# Altium PCB LimePSB-RPCM_1v3.PcbDoc (part 7 of 10) (continued)
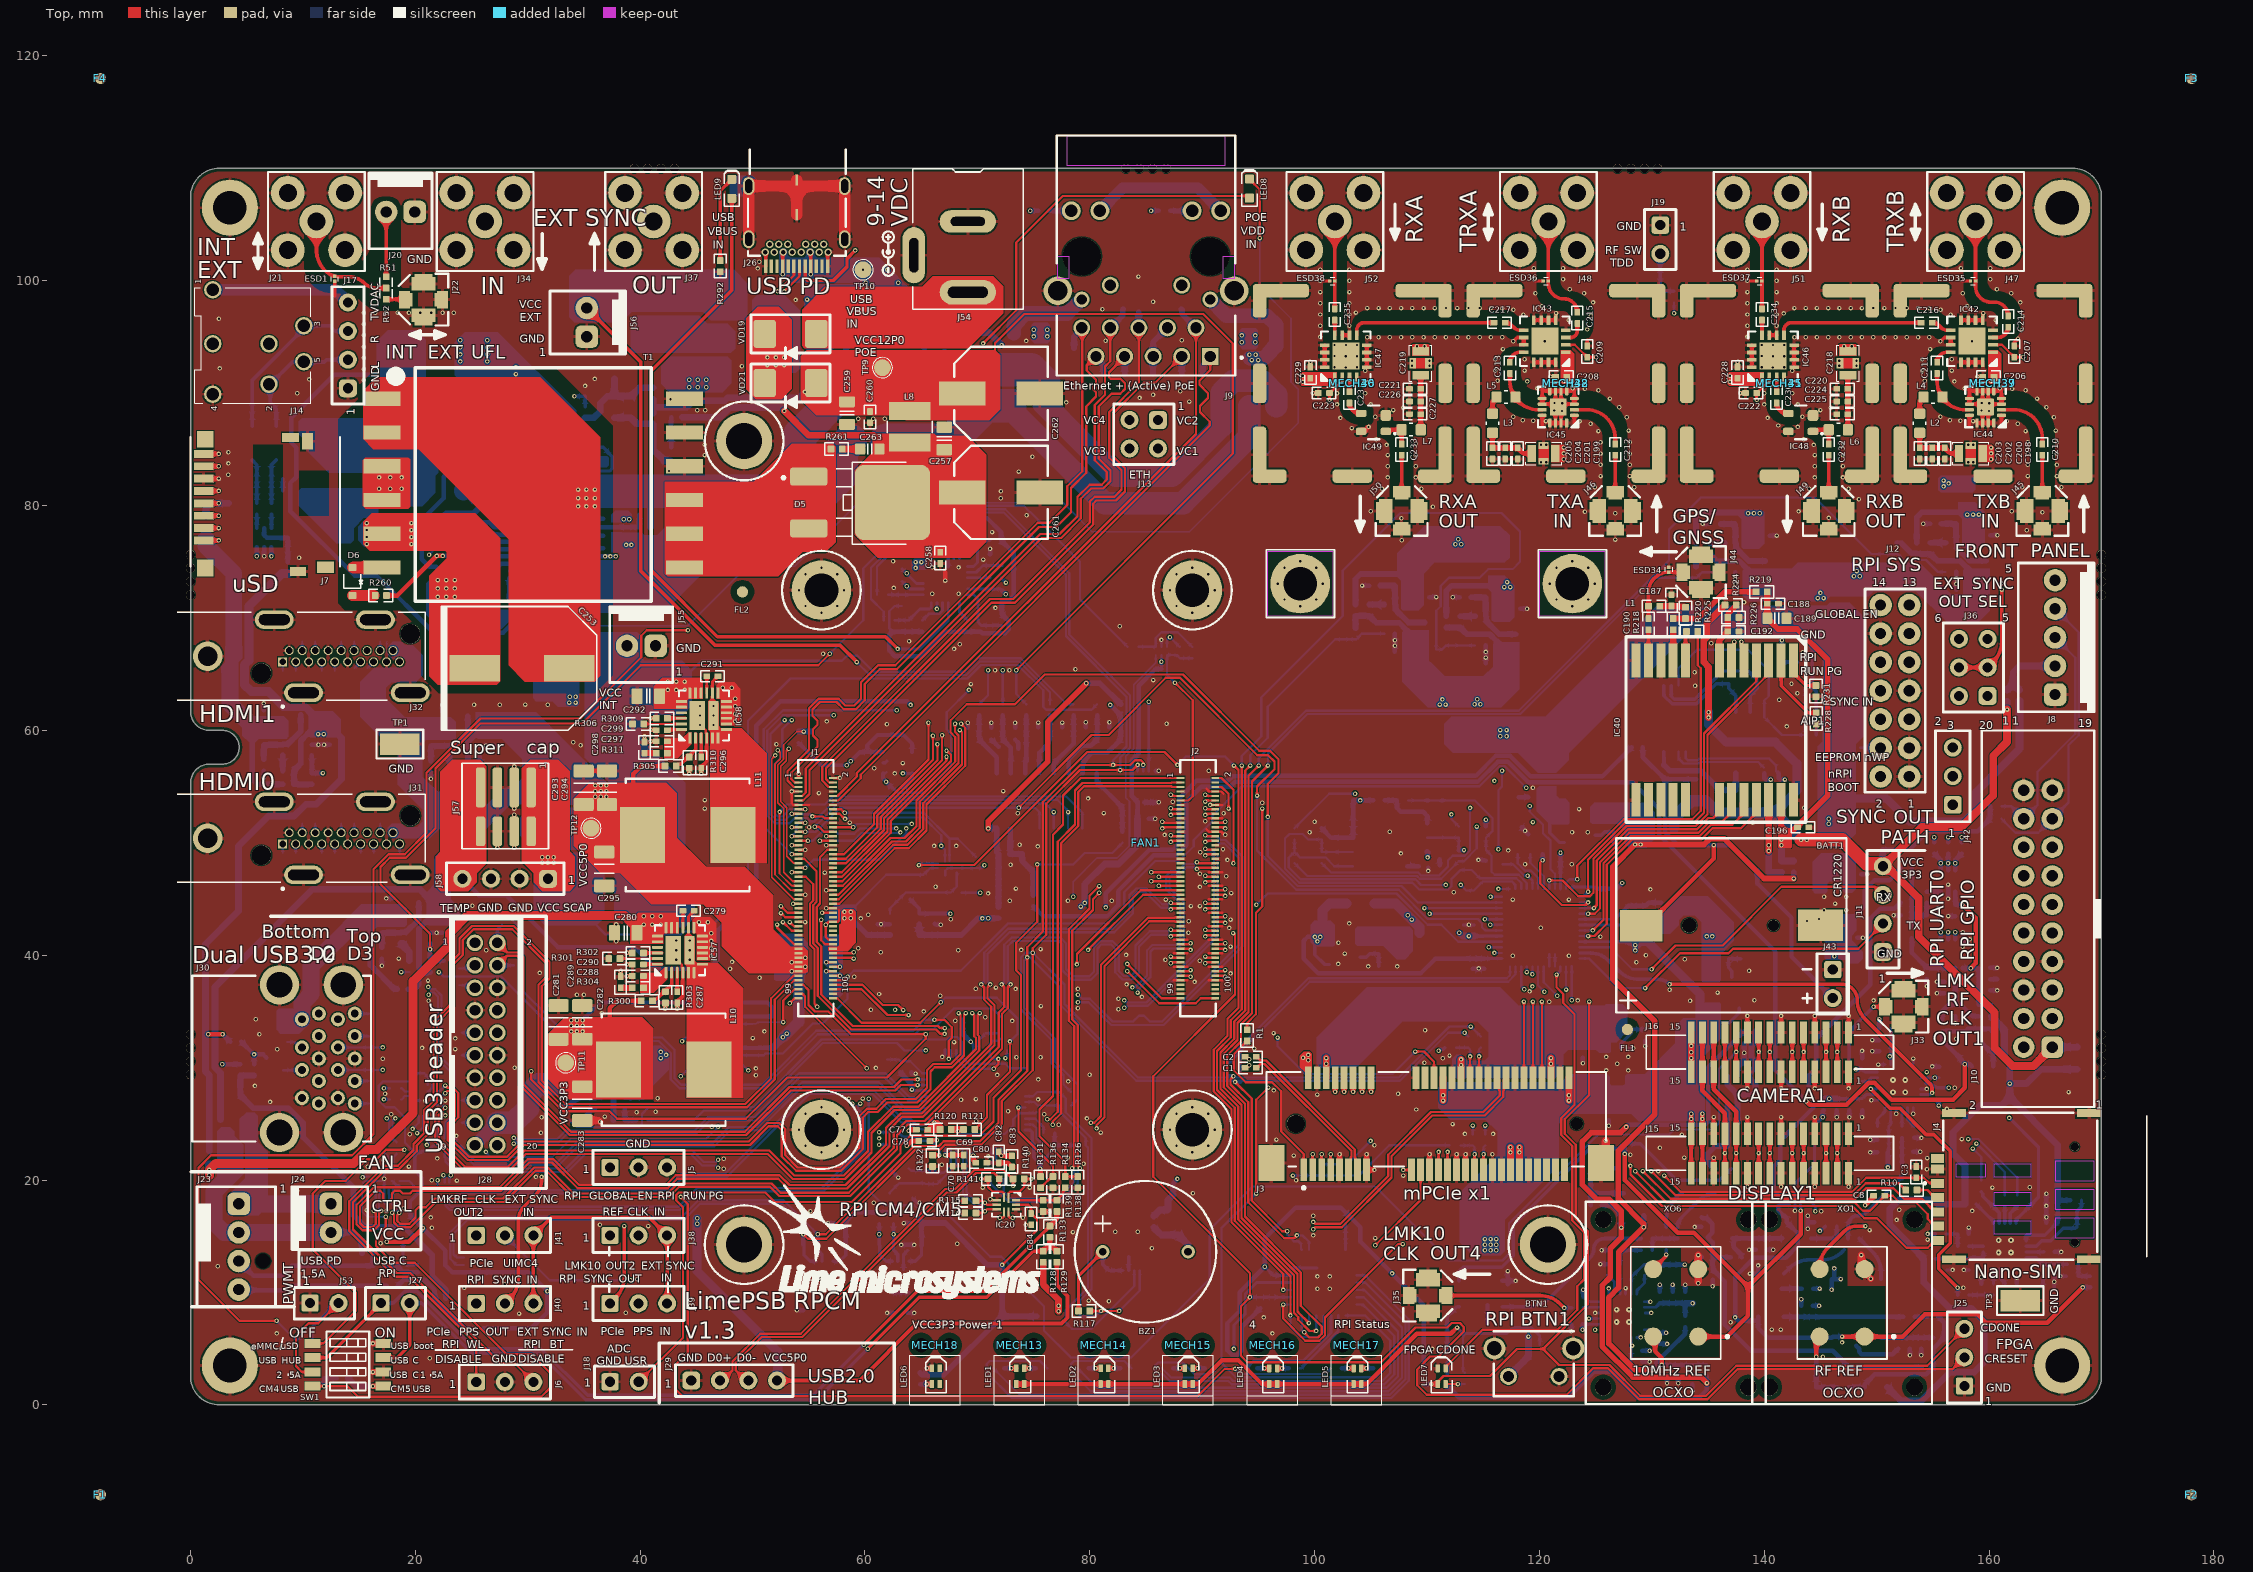
[diagram p0: Top view]
## Nets (pads, with @x,y where several pads share a name; then routed paths per layer and width w, separated by ;. In a path a pad name is that pad's centre, name@x,y a point inside that pad or via, vN(x,y) a via of type N, cw(c..) or ccw(c..) an arc to the next point about the centre after c; other vN are vias at no path point) (continued)
RPI_LED2_R: IC13.19 R73.1 | length 47
  Bottom w0.2: R73.1@83.71,3.253 83.06,3.902 78.602,3.902 78.327,3.627 78.327,2.948 80.075,1.2 106.575,1.2 107.775,2.4 107.775,6.875 104.425,10.225 IC13.19@103.725,10.225
RPI_LED3_G: IC13.22 R76.1 | length 28.9
  Bottom w0.2: R76.1@86.41,3.253 87.238,2.425 92.45,2.425 92.75,2.125 106.015,2.125 106.725,2.835 106.725,5.725 104.5,7.95 IC13.22@102.75,7.95
RPI_LED3_R: IC13.21 R78.1 | length 36.7
  Bottom w0.2: R78.1@91.21,3.253 90.683,2.725 89.325,2.725 88.275,3.775 86.085,3.775 85.827,3.517 85.827,2.973 86.075,2.725 86.513,2.725 87.113,2.125 92.325,2.125 92.625,1.825 106.21,1.825 107.075,2.69 107.075,6.125 104.275,8.925 IC13.21@103.725,8.925
RPI_LED4_G: IC13.24 R81.1 | length 10.4
  Bottom w0.25: R81.1@93.91,3.25 94.563,3.902 98.962,3.902 101.45,6.39 IC13.24@101.45,7.95
RPI_LED4_R: IC13.23 R85.1 | length 6.2
  Bottom w0.25: R85.1@98.71,3.25 98.805,3.25 102.1,6.545 IC13.23@102.1,7.95
RPI_LED_nPWR: IC2.2 J1.95 R14.2 R17.2 | length 12.3
  Top w0.2: v1(52.725,34.05) 52.725,35.975 53.725,36.975 J1.95@54.085,36.975
  Bottom w0.15: IC2.2@49.99,33.89 50.31,33.89 50.47,34.05 v1(52.725,34.05)
  Bottom w0.2: R14.2@45.4,34.775 R17.2@45.4,33.675 45.975,33.675 46.19,33.89 IC2.2@49.99,33.89
RPI_nEXTRST: J1.100 R121.2 | length 30.1
  Top w0.2: 57.525,36.175 59.7,34 64.925,34 v1(66.75,35.825) ; R121.2@69.775,24.5 70.85,25.575 70.85,27.575 72.9,29.625 v1(72.9,32.325)
  Bottom w0.2: v1(66.75,35.825) 67.15,36.225 71.725,36.225 73.575,34.375 73.575,33 v1(72.9,32.325)
RPI_nRPIBOOT: J1.93 J12.2 SW1.1 | length 266.7
  Top w0.2: SW1.1@10.85,5.47 11.82,5.47 14.725,8.375 14.725,9.975 10.875,13.825 10.875,18.8 12,19.925 13.799,19.925 15.724,21.85 16.549,21.85 17.399,22.7 v1(19.025,22.7) ; v1(30.3,29.675) 30.3,28.95 33.125,26.125 37.275,26.125 37.95,25.45 49.4,25.45 53.075,29.125 61.95,29.125 65.4,32.575 v1(65.4,32.975) 58.75,32.975 56.725,35 55.55,35 54.975,35.575 54.975,36.9 54.5,37.375 J1.93@54.085,37.375
  L3 w0.1: v1(65.4,32.975) 65.875,32.975 67.475,31.375 74.083,31.375 75.933,29.525 77.608,27.85 78.608,27.85 88.633,17.825 140.042,17.825 140.742,18.525 156.266,18.525 168.375,30.634 168.375,53.25 168.375,54.716 161.691,61.4 154.5,61.4 153.55,62.35 150,62.35 149.125,61.475 149.125,60.3 149.725,59.7 151.075,59.7 151.65,59.125 151.65,57.193 J12.2@150.354,55.896
  L3 w0.2: v1(19.025,22.7) 23.375,22.7 24.75,24.075 27.8,24.075 29,25.275 29,28.375 v1(30.3,29.675)
RPI_PCIE_CLK_N: C1.2 J2.12 | length 37.3
  Top w0.2: v1(90.28,53.675) 90.38,53.775 J2.12@91.165,53.775 ; C1.2@93.8,29.975 93.925,29.975 v1@94.19,30.24
  L3 w0.1: v1@90.271,53.675 90.071,53.875 89.858,53.875 89.7,53.717 89.7,51.8 90.05,51.45 90.6,51.45 91.125,50.925 91.125,49.008 97.65,42.483 97.65,28.325 96.75,27.425 95.525,27.425 94.925,28.025 94.925,30 94.71,30.215 v1(94.19,30.215)
RPI_PCIE_CLK_nREQ: J2.2 J3.7 | length 39.5
  Top w0.2: J2.2@91.165,55.775 91.725,55.775 92.775,54.725 v1(92.775,48.175) ; J3.7@101.425,20.9 v1(101.425,22.3)
  L3 w0.1: v1(92.775,48.175) 98.125,42.825 98.125,27.425 101.425,24.125 v1(101.425,22.3)
RPI_PCIE_CLK_P: C2.2 J2.10 | length 37.4
  Top w0.2: v1(90.28,54.275) 90.38,54.175 J2.10@91.165,54.175 ; C2.2@93.8,30.975 93.925,30.975 v1@94.19,30.71
  L3 w0.1: v1@90.271,54.275 90.071,54.075 89.775,54.075 89.5,53.8 89.5,51.717 89.967,51.25 90.517,51.25 90.925,50.842 90.925,50.192 90.925,48.925 97.45,42.4 97.45,28.408 96.667,27.625 95.608,27.625 95.125,28.108 95.125,30.1 94.486,30.739 v1@94.194,30.739
  other v1: 94.19,30.735
RPI_PCIE_DET_nWAKE: J2.6 R1.1 | length 26
  Top w0.2: J2.6@91.165,54.975 91.725,54.975 92.35,54.35 v1(92.35,53.05) ; R1.1@94,33.375 94,33.975 94.775,34.75 94.775,43.75 95.35,44.325 v1(95.35,53.05)
  L3 w0.1: v1(92.35,53.05) v1(95.35,53.05)
RPI_PCIE_nRST: J2.9 J3.22 | length 47.4
  Top w0.2: v1(87.2,54.275) 87.3,54.175 J2.9@88.085,54.175 ; v1(108.95,31.425) 109.725,31.425 110.625,30.525 J3.22@110.625,29.1
  L3 w0.1: v1(87.2,54.275) 87.178,54.253 87.178,54.003 85.4,52.225 85.4,51.325 88.025,48.7 89.9,48.7 96.7,41.9 v1(96.7,32.675)
  Bottom w0.2: v1(96.7,32.675) 96.7,31.9 99.175,29.425 106.95,29.425 v1(108.95,31.425)
RPI_PCIE_RX_N: J2.18 J3.23 | length 49.6
  Top w0.2: v1(90.28,52.475) 90.38,52.575 J2.18@91.165,52.575 ; J3.23@111.025,20.9 v1(111.025,22.5)
  L3 w0.1: v1@90.289,52.475 90.489,52.675 91,52.675 91.4,52.275 91.4,50.475 91.975,49.9 92.034,49.841 94.559,49.841 94.854,49.546 94.854,47.021 95.5,46.375 98.025,46.375 99.1,45.3 99.1,42.775 99.625,42.25 102.15,42.25 103.175,41.225 103.175,38.7 104.125,37.75 106.65,37.75 107.25,37.15 107.25,34.975 109.925,32.3 109.925,30.925 113.35,27.5 113.35,27.075 111.325,25.05 111.325,22.8 v1(111.025,22.5)
RPI_PCIE_RX_P: J2.16 J3.25 | length 50
  Top w0.2: v1(90.28,53.075) 90.38,52.975 J2.16@91.165,52.975 ; J3.25@111.825,20.9 v1(111.825,22.5)
  L3 w0.1: v1@90.289,53.075 90.489,52.875 91.083,52.875 91.6,52.358 91.6,50.558 92.116,50.041 94.641,50.041 95.054,49.629 95.054,47.104 95.583,46.575 98.108,46.575 99.3,45.383 99.3,42.858 99.708,42.45 102.233,42.45 103.375,41.308 103.375,38.783 104.208,37.95 106.733,37.95 107.45,37.233 107.45,35.058 110.125,32.383 110.125,31.008 113.55,27.583 113.55,26.992 111.525,24.967 111.525,22.8 v1(111.825,22.5)
RPI_PCIE_TX_N: J2.24 R5.2 | length 50.5
  Top w0.2: J2.24@91.165,51.375 91.95,51.375 v1(92.05,51.275)
  L3 w0.1: v1@92.059,51.275 92.259,51.475 96.05,51.475 96.5,51.025 96.5,48.2 97.175,47.525 100,47.525 100.575,46.95 100.575,44.125 101.275,43.425 104.1,43.425 104.725,42.8 104.725,40.016 105.316,39.425 108.15,39.425 108.596,38.979 108.596,36.146 109.166,35.575 111.95,35.575 112.375,35.15 112.375,29.825 112.875,29.325 115.35,29.325 116.475,28.2 116.475,27.575 115.875,26.975 114.9,26.975 114.525,26.6 114.525,25.3 v1(114.075,24.85)
  Bottom w0.2: R5.2@114.075,24.075 v1(114.075,24.85)
RPI_PCIE_TX_P: J2.22 R7.2 | length 50.8
  Top w0.2: J2.22@91.165,51.775 91.95,51.775 v1(92.05,51.875)
  L3 w0.1: v1@92.059,51.875 92.259,51.675 96.133,51.675 96.7,51.108 96.7,50.258 96.7,48.283 97.258,47.725 100.083,47.725 100.775,47.033 100.775,44.208 101.358,43.625 104.183,43.625 104.925,42.883 104.925,40.099 105.399,39.625 108.233,39.625 108.796,39.062 108.796,36.229 109.249,35.775 112.033,35.775 112.575,35.233 112.575,29.908 112.958,29.525 115.433,29.525 116.675,28.283 116.675,27.492 115.958,26.775 114.983,26.775 114.725,26.517 114.725,25.3 v1(115.175,24.85)
  Bottom w0.2: R7.2@115.175,24.075 v1(115.175,24.85)
RPI_PIN11: IC1.4 J2.11 J12.11 R9.2 R11.2 | length 91.2
  Top w0.2: v1(87.575,64.25) 89.15,62.675 89.15,54.15 88.775,53.775 J2.11@88.085,53.775
  L3 w0.1: v1(87.575,64.25) 98.225,64.25 106.625,55.85 132.1,55.85 141.25,65 147.2,65 149.55,67.35 151.636,67.35 J12.11@152.896,68.611
  Bottom w0.2: IC1.4@86.875,66.712 IC1.4@86.875,66.7 ; v1(87.575,64.25) 86.875,64.95 IC1.4@86.875,66.7 ; R9.2@89.125,66.425 R11.2@88.025,66.425 87.75,66.7 IC1.4@86.875,66.7
RPI_PIN16: IC39.2 J1.16 R222.2 | length 16.4
  Top w0.2: J1.16@57.165,52.975 57.9,52.975 v1(58.2,52.675)
  Bottom w0.2: v1(58.2,52.675) 65.225,52.675 67.523,50.377 67.523,50.351 ; IC39.2@67.523,48.4 67.523,50.351 ; R222.2@69.863,48.75 68.261,50.351 67.523,50.351
RPI_PIN18: IC39.1 J1.18 R221.2 | length 20.2
  Top w0.2: J1.18@57.165,52.575 57.734,52.575 58.184,52.125 v1(58.225,52.125)
  L4 w0.1: v1(66.775,49.725) 66.775,49.025 v1(70.25,45.55)
  Bottom w0.2: v1(58.225,52.125) 58.35,52.25 65.2,52.25 66.775,50.675 v1(66.775,49.725) 67.123,49.377 IC39.1@67.123,48.35 ; R221.2@68.6,45.55 v1(70.25,45.55)
RPI_PWM0: IC5.3 J1.31 | length 69.8
  Top w0.2: v1(53.475,49.775) J1.31@54.085,49.775
  L3 w0.1: v1(5.9,75.5) 5.05,74.65 5.05,69.175 6.7,67.525 6.7,66.467 7.475,65.692 7.475,63 8.4,62.075 14.1,62.075 16.775,59.4 36.675,59.4 40.625,55.45 45.7,55.45 50.375,50.775 50.375,49.425 50.725,49.075 51.175,49.075 51.45,49.35 51.45,50.05 51.625,50.225 51.95,50.225 52.175,50 52.175,49.325 52.425,49.075 52.775,49.075 v1(53.475,49.775)
  Bottom w0.4: v1(5.9,75.5) IC5.3@5.9,76.275
RPI_PWM1: IC5.1 J1.28 | length 69.7
  Top w0.2: v1(56.555,50.575) J1.28@57.165,50.575
  L3 w0.1: v1(7.2,75.5) 5.25,73.55 5.25,69.258 6.9,67.608 6.9,66.55 7.675,65.775 7.675,63.083 8.483,62.275 14.183,62.275 16.858,59.6 36.758,59.6 36.875,59.483 40.708,55.65 45.783,55.65 50.433,51 53.8,51 54.225,50.575 v1(56.555,50.575)
  Bottom w0.4: v1(7.2,75.5) IC5.1@7.2,76.275
RPI_RUN_PG: IC3.2 J1.92 J5.3 J12.10 R22.2 | length 136.4
  Top w0.2: J1.92@57.165,37.775 58.15,37.775 v1(58.45,38.075)
  L3 w0.1: J5.3@42.399,21.125 42.399,28.024 v1(43.6,29.225)
  L4 w0.1: v1(118.825,54.9) 119.9,55.975 138.7,55.975 148.793,66.068 J12.10@150.354,66.068
  Bottom w0.2: v1(43.6,29.225) 45.825,31.45 R22.2@46.575,31.45 46.925,31.1 IC3.2@49.99,31.1 51,31.1 51.16,31.26 52.685,31.26 55.35,33.925 56.25,33.925 58.45,36.125 v1(58.45,38.075) 59,38.625 68.525,38.625 72.725,42.825 81.575,42.825 83.075,44.325 83.075,45.625 85.825,48.375 87.925,48.375 89.25,49.7 89.25,50.25 90.9,51.9 90.9,52.375 93.55,55.025 114.673,55.025 116.473,56.825 116.9,56.825 v1(118.825,54.9)
RPI_RUN_PG_BUFF: IC3.4 J12.13 R22.1 | length 195.5
  L3 w0.1: v1(49.625,29.75) 49.625,29.45 50.9,28.175 56.55,28.175 58.75,25.975 60.525,25.975 61.675,27.125 66.1,27.125 67.325,28.35 76.5,28.35 77.5,27.35 78.4,27.35 88.325,17.425 140.208,17.425 140.908,18.125 156.431,18.125 168.775,30.469 168.775,72.558 167.033,74.3 166.622,74.711 165.211,74.711 161.654,71.154 J12.13@152.896,71.154
  Bottom w0.2: R22.1@46.575,30.45 46.585,30.44 IC3.4@48.06,30.44 48.935,30.44 v1(49.625,29.75)
RPI_SD_CLK: J1.57 J7.5 | length 82.3
  Top w0.2: v1(53.6,44.575) J1.57@54.085,44.575
  Top w0.4: J7.5@1.18,81.3 v1(2.5,81.3)
  L3 w0.1: v1(2.5,81.3) 3.063,80.738 7.113,80.738 7.45,80.4 7.45,79.925 6.525,79 6.525,76.975 4.3,74.75 4.3,69.2 5,68.5 5,63.175 6.425,61.75 13.925,61.75 16.75,58.925 25.1,58.925 25.775,58.25 37.125,58.25 40.475,54.9 43.275,54.9 v1(53.6,44.575)
RPI_SD_CMD: J1.62 J7.3 | length 83.2
  Top w0.2: v1(56.18,43.775) J1.62@57.165,43.775
  Top w0.4: J7.3@1.18,79.1 v1(2.5,79.1)
  L3 w0.1: v1(2.5,79.1) 3.175,79.775 5.65,79.775 6.05,79.375 6.05,77.05 3.95,74.95 3.95,69.175 4.725,68.4 4.725,63.075 6.3,61.5 13.725,61.5 16.6,58.625 24.95,58.625 25.65,57.925 36.95,57.925 40.3,54.575 42.975,54.575 53.775,43.775 v1(56.18,43.775)
RPI_SD_D0: J1.63 J7.7 | length 82.4
  Top w0.2: v1(52.525,43.75) 52.9,43.375 J1.63@54.085,43.375
  Top w0.4: J7.7@1.18,83.5 v1(2.5,83.5)
  L3 w0.1: v1(2.5,83.5) 2.125,83.5 1.95,83.325 1.95,77.875 2.225,77.6 3.075,77.6 3.3,77.375 3.3,68.95 4.225,68.025 4.225,62.775 6.025,60.975 13.4,60.975 16.4,57.975 24.7,57.975 25.425,57.25 29.975,57.25 30.325,56.9 30.9,56.9 31.25,57.25 34.55,57.25 34.9,56.9 35.5,56.9 35.85,57.25 36.7,57.25 40,53.95 42.325,53.95 v1(52.525,43.75)
RPI_SD_D1: J1.67 J7.8 | length 83.3
  Top w0.2: v1(53.3,42.95) 53.675,42.575 J1.67@54.085,42.575
  Top w0.4: J7.8@1.18,84.6 v1(2.5,84.6)
  L3 w0.1: v1(2.5,84.6) 1.7,83.8 1.7,77.771 2.121,77.35 2.675,77.35 2.95,77.075 2.95,68.825 3.925,67.85 3.925,62.7 5.925,60.7 13.225,60.7 16.25,57.675 24.6,57.675 25.85,56.425 37.025,56.425 39.825,53.625 41.925,53.625 52.175,43.375 52.875,43.375 v1(53.3,42.95)
RPI_SD_D2: J1.69 J7.1 | length 83.3
  Top w0.2: v1(52.7,42.95) 53.475,42.175 J1.69@54.085,42.175
  Top w0.4: J7.1@1.18,76.9 v1(2.5,76.9)
  L3 w0.1: v1(2.5,76.9) 2.5,68.825 3.625,67.7 3.625,62.625 5.825,60.425 13.075,60.425 16.125,57.375 24.35,57.375 25.825,55.9 30.7,55.9 cw(c30.7,55.65) 30.95,55.65 30.95,54.556 ccw(c31.22,54.556) 31.22,54.286 31.28,54.286 ccw(c31.28,54.556) 31.55,54.556 31.55,55.63 cw(c31.82,55.63) 31.82,55.9 31.88,55.9 cw(c31.88,55.63) 32.15,55.63 32.15,54.556 ccw(c32.42,54.556) 32.42,54.286 32.48,54.286 ccw(c32.48,54.556) 32.75,54.556 32.75,55.63 cw(c33.02,55.63) 33.02,55.9 33.08,55.9 cw(c33.08,55.63) 33.35,55.63 33.35,54.556 ccw(c33.62,54.556) 33.62,54.286 33.68,54.286 ccw(c33.68,54.556) 33.95,54.556 33.95,55.63 cw(c34.22,55.63) 34.22,55.9 34.25,55.9 37.05,55.9 39.65,53.3 41.6,53.3 51.725,43.175 52.475,43.175 v1(52.7,42.95)
RPI_SD_D3: J1.61 J7.2 | length 82.8
  Top w0.2: v1(52.525,44.35) 53.1,43.775 J1.61@54.085,43.775
  Top w0.4: J7.2@1.18,78 v1(2.5,78)
  L3 w0.1: v1(2.5,78) 3.4,78 3.525,78.125 3.525,78.45 3.125,78.85 3.125,79.175 3.475,79.525 5.5,79.525 5.725,79.3 5.725,78.762 5.45,78.487 5.45,78.163 5.725,77.887 5.725,77.3 5.525,77.1 3.775,77.1 3.6,76.925 3.6,69.125 4.475,68.25 4.475,62.95 6.175,61.25 13.55,61.25 16.5,58.3 24.825,58.3 25.525,57.6 36.775,57.6 40.125,54.25 42.625,54.25 v1(52.525,44.35)
RPI_SD_PWR_ON: IC4.3 J1.75 R23.1 | length 51.3
  Top w0.2: v1(52.175,42.725) 52.175,42.475 53.675,40.975 J1.75@54.085,40.975
  L3 w0.4: v1(11.775,56.2) 22.65,56.2 24.15,54.7 29.2,54.7 31.325,52.575 40.925,52.575 50.775,42.725 v1(52.175,42.725)
  Bottom w0.4: IC4.3@10.8,57.775 R23.1@10.8,56.2 v1(11.775,56.2)
RPI_SPI0_MISO: J1.40 J10.11 R106.2 R107.1 | length 145.7
  Top w0.2: J1.40@57.165,48.175 58.315,48.175 61.4,51.26 61.4,52.306 66.45,57.356 v1(66.45,58.775)
  L3 w0.1: v1(66.45,58.775) 66.65,58.975 97.981,58.975 105.206,51.75 114.125,51.75 114.415,51.46 119.61,51.46 119.975,51.825 133.316,51.825 138.216,56.725 138.466,56.975 143.304,56.975 149.954,50.325 153.95,50.325 154.726,49.549 155.517,49.549 ; 155.518,49.55 155.955,49.55 156.501,49.549 161.98,44.07 161.98,44.064 162.669,43.375 164.475,43.375 J10.11@165.62,44.52
  Bottom w0.2: R107.1@98.21,48.19 99.35,47.05 109.099,47.05 109.349,46.8 111.255,46.8 R106.2@112.815,48.36 113.28,48.36 114.425,49.505 v1(114.425,51.45)
RPI_SPI0_MOSI: J1.44 J10.9 R104.2 R105.1 R197.1 | length 166.8
  Top w0.2: J1.44@57.165,47.375 57.939,47.375 61.7,51.136 61.7,52.181 66.852,57.333 v1(66.852,59.575)
  L3 w0.1: v1(66.852,59.575) 67.027,59.4 98.6,59.4 103.625,54.375 104.125,54.375 105.975,52.525 v1(112.175,52.525) 133.021,52.525 137.996,57.5 143.445,57.5 150.22,50.725 154.116,50.725 154.891,49.949 155.352,49.949 ; 155.352,49.95 156.12,49.95 ; 156.121,49.949 156.577,49.949 156.666,49.95 158.124,49.949 162.373,45.7 166.375,45.7 166.8,45.275 166.8,43.16 J10.9@165.62,41.98 166.8,40.8 166.8,31.125 161.775,26.1 161.342,26.1 158.875,23.633 v1(158.875,23.25)
  Bottom w0.2: R104.2@98.21,51.29 101.295,54.375 v1(103.6,54.375) ; v1(112.175,52.525) 112.175,52.1 R105.1@112.815,51.46 ; v1(158.875,23.25) 161.4,20.725 R197.1@161.4,18.65
RPI_SPI0_SCLK: J1.38 J10.13 R103.1 R195.1 | length 176
  Top w0.2: J1.38@57.165,48.575 58.291,48.575 61.1,51.384 61.1,52.43 66.05,57.38 v1(66.05,59.525)
  L3 w0.1: v1(66.05,59.525) 66.55,60.025 67,60.025 67.425,59.6 99.238,59.6 105.738,53.1 v1(113.825,53.1) 118.45,53.1 118.65,52.9 120.35,52.9 120.9,53.45 133.663,53.45 137.913,57.7 143.528,57.7 150.303,50.925 154.199,50.925 154.974,50.149 155.269,50.149 ; 155.269,50.15 156.203,50.15 ; 156.204,50.149 156.494,50.149 ; 156.494,50.15 156.749,50.15 ; 156.749,50.149 158.207,50.149 162.456,45.9 164.46,45.9 J10.13@165.62,47.06 167,45.68 167,31.042 161.858,25.9 161.425,25.9 159.325,23.8 159.325,23.205 158.92,22.8 v1(158.55,22.8)
  Bottom w0.2: R103.1@100.635,48.19 101.475,47.35 109.225,47.35 109.475,47.1 111.075,47.1 111.875,47.9 111.875,48.45 112.285,48.86 113.356,48.86 113.825,49.329 v1(113.825,53.1) ; v1(158.55,22.8) 159.3,22.05 R195.1@159.3,19.95
RPI_SPI0_SS0: J1.39 R108.2 | length 77.3
  Top w0.15: v1(53.225,58.375) 53,58.15 53,57.3 52.5,56.8 52.5,53.675 53.05,53.125 53.05,48.8 53.675,48.175 J1.39@54.085,48.175
  L3 w0.1: v1(53.225,58.375) 56.075,58.375 56.375,58.675 65.8,58.675 66.325,59.2 98.048,59.2 105.188,52.06 v1(115.24,52.06)
  Bottom w0.4: R108.2@115.24,51.46 v1(115.24,52.06)
RPI_SPI0_SS1: J1.37 R198.1 | length 132.7
  Top w0.2: J1.37@54.085,48.575 54.599,48.575 55.695,47.479 55.695,44.746 55.4,44.451 55.4,41.049 55.8,40.649 55.8,36.383 58.783,33.4 66.325,33.4 66.725,33 v1(67.075,33)
  L3 w0.1: v1(67.075,33) 74.35,33 88.925,18.425 139.55,18.425 141,19.875 154.375,19.875 v1(158.15,23.65)
  Bottom w0.2: v1(158.15,23.65) 159.05,23.65 162.5,20.2 R198.1@162.5,18.65
RPI_SPI1_MISO: IC6.12 IC17.10 J1.26 | length 72.6
  Top w0.2: v1(55.525,51.425) 55.9,51.425 56.35,50.975 J1.26@57.165,50.975
  L3 w0.1: v1(76.793,52.737) 77.181,53.125 80.817,53.125 82.817,55.125 87.242,55.125 89.117,57 91.583,57 92.108,56.475 97.5,56.475 v1(109.775,44.2)
  Bottom w0.2: v1(55.525,51.425) 57.625,53.525 76.025,53.525 76.795,52.755 IC6.12@76.795,51.275 ; v1@109.875,44.2 IC17.10@116.675,44.2
RPI_SPI1_MOSI: IC6.11 IC17.9 J1.27 | length 74.8
  Top w0.2: v1(53.475,50.575) J1.27@54.085,50.575
  L3 w0.1: v1(78.065,52.735) 80.71,52.735 82.9,54.925 87.325,54.925 89.2,56.8 91.5,56.8 92.025,56.275 97.175,56.275 109.75,43.7 v1(110.225,43.7)
  Bottom w0.2: v1(53.475,50.575) 53.875,50.975 53.875,51.521 54.529,52.175 54.875,52.175 55.15,51.9 55.475,51.9 57.4,53.825 77.1,53.825 78.065,52.86 v1(78.065,52.735) IC6.11@78.065,51.275 ; v1(110.225,43.7) IC17.9@116.675,43.7
RPI_SPI1_SCLK: IC6.13 IC17.6 J1.25 | length 88.1
  Top w0.2: J1.25@54.085,50.975 v1(54.695,50.975) ; v1(73.675,53.125) 80.15,59.6 81.675,59.6 86.75,64.675 88.025,64.675 94.907,57.793 95.857,57.793 96.425,57.225 96.425,56.55 94.875,55 v1(94.875,54.2)
  Bottom w0.2: v1(54.695,50.975) 55.65,50.975 57.8,53.125 v1(73.675,53.125) 75.125,53.125 75.525,52.725 IC6.13@75.525,51.275 ; v1(94.875,54.2) 94.875,49.325 98.375,45.825 107.475,45.825 110.075,43.225 114.525,43.225 114.9,42.85 114.9,42.5 115.2,42.2 IC17.6@116.675,42.2
RPI_SPI1_SS0: IC6.10 J1.49 | length 37.1
  Top w0.15: v1(52.4,52.75) 52.4,47.275 53.5,46.175 J1.49@54.085,46.175
  Bottom w0.2: v1(52.4,52.75) 53.05,53.4 56.425,53.4 57.15,54.125 77.9,54.125 79.333,52.692 IC6.10@79.333,51.277 IC6.10@79.335,51.275
RPI_SPI1_SS1: IC17.11 J1.50 | length 86.2
  Top w0.2: J1.50@57.165,46.175 58.027,46.175 62.277,50.425 63.525,50.425 64.575,51.475 64.575,53.773 68.025,57.223 68.025,59.4 67.619,59.806 67.619,60.894 69.05,62.325 73.35,62.325 76,64.975 88.3,64.975 95.075,58.2 96.025,58.2 96.788,57.438 96.788,56.188 95.825,55.225 v1(95.825,52.3)
  Bottom w0.2: v1(95.825,52.3) 95.825,48.826 98.501,46.15 107.725,46.15 109.175,44.7 IC17.11@116.675,44.7
RPI_SPI1_SS2: IC17.12 J1.29 | length 71.2
  Top w0.2: J1.29@54.085,50.175 v1(54.925,50.175)
  L3 w0.1: v1(62.775,51.275) 63.2,51.7 63.65,51.7 69.875,57.925 97.5,57.925 110.225,45.2 v1(115.65,45.2)
  Bottom w0.2: v1(54.925,50.175) 55.375,50.175 56.175,50.975 57.425,50.975 57.6,50.8 59.05,50.8 59.525,51.275 v1(62.775,51.275) ; v1(115.65,45.2) IC17.12@116.675,45.2
RPI_STATUS_LED_G: IC2.4 R17.1 R89.1 | length 96.8
  Top w0.2: v1(43.6,18.5) 44.225,17.875 44.225,4.65 43.175,3.6 43.175,1.375 43.775,0.775 89.575,0.775 92,3.2 v1(92.925,3.2)
  L3 w0.1: v1(43.6,18.5) 43.6,27.65 44.325,28.375 44.325,31.75 v1(43.725,32.35)
  Bottom w0.2: v1(43.725,32.35) 44.05,32.675 R17.1@45.4,32.675 46.4,32.675 46.955,33.23 IC2.4@48.06,33.23 ; v1(92.925,3.2) 93.375,2.75 100.91,2.75 R89.1@101.41,3.25
RPI_STATUS_LED_R: J1.21 R91.1 | length 99.4
  Top w0.2: J1.21@54.085,51.775 v1(54.695,51.775) ; v1@94.8,18.725 v1(94.8,18.8) 94.8,27.137 v1@95.875,28.213
  L3 w0.1: v1(54.695,51.775) 56.045,51.775 62.12,45.7 66.5,45.7 66.875,46.075 72.45,46.075 72.95,45.575 79.55,45.575 79.925,45.2 83.075,45.2 83.8,44.475 86.05,44.475 86.8,43.725 88.625,43.725 89.525,42.825 90.825,42.825 92.125,41.525 92.7,41.525 95.875,38.35 v1(95.875,28.225) v1@95.875,28.2
  Bottom w0.2: v1(94.8,18.8) 91.725,15.725 91.725,3.717 92.992,2.45 105.41,2.45 R91.1@106.21,3.25
RPI_SYNC_IN: IC17.2 IC41.4 J12.8 J40.2 R229.1 | length 183.9
  Top w0.325: J40.2@27.959,9.025 28.431,9.497 ccw(c26.635,11.293) 29.175,11.293 29.175,16.425 cw(c30.925,16.425) 29.688,17.663 30.725,18.7 ccw(c29.518,19.907) 31.225,19.907 v1(31.225,20.275)
  L3 w0.1: v1(69.25,63.6) 97.8,63.6 105.875,55.525 116,55.525 133.275,55.525 137.5,59.75 146.579,59.75 J12.8@150.354,63.525
  L4 w0.1: v1(31.225,20.275) 32.931,21.981 cw(c34.727,20.185) 34.727,22.725 38.66,22.725 ccw(c38.66,24.753) 40.094,23.319 55.377,38.602 ccw(c54.718,39.261) 55.65,39.261 cw(c56.589,39.261) 55.925,39.925 cw(c56.649,39.201) 56.649,40.225 ccw(c56.65,42.7) 58.4,40.95 61.131,43.681 ccw(c59.335,45.477) 61.875,45.477 v1(61.875,55.425) ; v1(116,40.2) v1(116,55.5) v1@116,55.525
  Bottom w0.2: IC41.4@61.6,56.175 61.8,56.175 61.925,56.3 IC41.4@61.925,56.305 ; R229.1@62.4,54.953 62.9,54.453 65.278,54.453 67.652,56.827 67.652,59.698 67.275,60.075 67.275,61.625 v1(69.25,63.6) ; v1(116,40.2) IC17.2@116.675,40.2
  Bottom w0.35: IC41.4@61.6,56.175 61.6,55.703 R229.1@62.4,54.903
RPI_SYNC_IN_LS: IC39.4 IC39.7 IC41.3 R222.1 R229.2 | length 17.7
  L4 w0.1: v1(63.375,56.175) 70.625,48.925 v1(70.625,48)
  Bottom w0.2: v1(63.375,56.175) IC41.3@64.2,56.175 ; IC39.7@67.123,47.1 67.133,47.11 67.133,47.508 67.375,47.75 IC39.4@68.173,47.75 R222.1@69.863,47.75 70.375,47.75 v1(70.625,48)
  Bottom w0.35: R229.2@63.4,54.903 64.2,55.703 IC41.3@64.2,56.175
RPI_SYNC_OUT: IC17.44 IC38.4 J12.9 J42.3 R223.1 | length 114.6
  L4 w0.1: v1(67.6,43.7) 89.023,43.7 cw(c89.023,41.16) 90.819,42.956 91.15,42.625 ccw(c92.599,44.074) 91.35,42.449 92.481,41.319 ccw(c94.277,43.115) 94.277,40.575 112.498,40.575 cw(c112.498,38.035) 114.294,39.831 114.562,39.562 115.231,38.894 ccw(c117.027,40.69) 117.027,38.15 119.013,38.15 ccw(c119.013,38.662) v1(119.375,38.3) cw(c120.763,36.912) 120.763,38.875 126.523,38.875 ccw(c126.523,41.415) 128.319,39.619 143.756,55.056 ccw(c141.96,56.852) 144.5,56.852 144.5,59.023 cw(c147.04,59.023) 145.244,60.819 148.481,64.056 cw(c150.277,62.26) 150.277,64.8 150.576,64.8 ccw(c150.576,67.34) 152.373,65.544 J12.9@152.896,66.068 154.531,64.433 cw(c152.735,62.637) 155.275,62.637 155.275,61.017 ccw(c157.815,61.017) 156.019,59.221 J42.3@156.775,58.465
  Bottom w0.2: v1(119.375,38.3) IC17.44@119.375,39
  Bottom w0.35: R223.1@64.025,44.972 64.825,44.172 IC38.4@64.825,43.7 v1(67.6,43.7)
RPI_SYNC_OUT_LS: IC38.3 IC39.5 R221.1 R223.2 | length 8.5
  Bottom w0.2: IC38.3@62.225,43.7 62.225,44.172 R223.2@63.025,44.972 63.628,45.575 67.625,45.575 68.173,46.123 IC39.5@68.173,47.35
RPI_TVDAC: IC1.3 J14.1 J17.4 R11.1 | length 121.7
  L3 w0.1: J17.4@14,98.064 12.125,96.189 12.125,78.675 15.3,75.5 17.4,75.5 23.025,69.875 42.35,69.875 45.225,67 46.625,67 50.35,63.275 50.35,62 52.25,60.1 54.125,60.1 59.3,65.275 67.2,65.275 68.725,66.8 85.631,66.8 v1(87.125,68.294)
  Bottom w0.2: IC1.3@86.875,67.437 86.875,68.044 v1(87.125,68.294) 87.794,67.625 87.825,67.625 R11.1@88.025,67.425
  Bottom w1: J14.1@1.975,99.2 12.864,99.2 J17.4@14,98.064
RPI_UART0_RX: IC17.34 J1.51 J10.10 J11.3 | length 171.5
  Top w0.15: v1(52.25,58.225) 52.45,58.025 52.45,57.479 52,57.029 52,47.175 53.4,45.775 J1.51@54.085,45.775
  Top w0.2: v1(129.975,38.75) 132.1,40.875 136.3,40.875 141.525,46.1 149.821,46.1 J11.3@150.55,45.371
  L3 w0.1: v1(52.25,58.225) 52.475,58 56.025,58 56.425,58.4 66.65,58.4 67.025,58.775 67.925,58.775 97.899,58.775 106.249,50.425 124.467,50.425 125.217,51.175 132.949,51.175 138.299,56.525 138.549,56.775 143.217,56.775 148.75,51.242 148.75,47.13 150.509,45.371 J11.3@150.55,45.371 154.571,41.35 157.55,41.35 158.18,41.98 J10.10@163.08,41.98
  Bottom w0.2: IC17.34@123.575,40.7 126.3,40.7 128.25,38.75 v1(129.975,38.75)
RPI_UART0_TX: IC17.36 J1.55 J10.8 J11.2 | length 172.9
  Top w0.15: v1(52.025,57.775) 51.7,57.45 51.7,46.925 53.65,44.975 J1.55@54.085,44.975
  Top w0.2: v1(129.4,37.075) 132.5,40.175 136.825,40.175 137.225,40.575 148.366,40.575 150.55,42.759 J11.2@150.55,42.829
  L3 w0.1: v1(52.025,57.775) 56.083,57.775 56.433,58.125 66.658,58.125 67.108,58.575 67.842,58.575 97.816,58.575 106.166,50.225 124.55,50.225 125.3,50.975 133.031,50.975 138.264,56.208 138.381,56.325 138.631,56.575 143.134,56.575 148.55,51.159 148.55,47 149.575,45.975 149.575,43.804 J11.2@150.55,42.829 153.604,39.775 160.675,39.775 161.01,39.44 J10.8@163.08,39.44
  Bottom w0.2: IC17.36@123.575,39.7 124.4,39.7 127.025,37.075 v1(129.4,37.075)
RPI_USB3_D0_N: IC25.7 J2.36 | length 99.5
  Top w0.2: v1(90.28,48.875) 90.38,48.975 J2.36@91.165,48.975
  L3 w0.1: v1(59.575,26.8) 59.325,27.05 59.325,32.55 62.5,35.725 65.492,35.725 67.817,33.4 82.75,33.4 83.9,34.55 83.9,35.483 83.633,35.75 83.296,35.75 v1(83.071,35.975)
  Bottom w0.2: IC25.7@22.625,18.5 22.625,18.1 22.675,18.05 22.675,17.725 23.075,17.325 43.524,17.325 45.199,19 56.299,19 60,22.701 60,25.699 59.375,26.324 59.375,26.583 59.575,26.783 v1(59.575,26.8) ; v1(83.071,35.975) 83.125,35.975 83.3,35.8 85.051,35.8 91.05,41.799 91.05,48.775 90.8,49.025 90.484,49.025 90.334,48.875 v1(90.28,48.875)
RPI_USB3_D0_P: IC25.6 J2.34 | length 99.1
  Top w0.2: v1(90.28,49.475) 90.38,49.375 J2.34@91.165,49.375
  L3 w0.1: v1(58.875,26.8) 59.125,27.05 59.125,32.633 62.417,35.925 65.575,35.925 67.9,33.6 82.667,33.6 83.7,34.633 83.7,35.4 83.55,35.55 83.296,35.55 v1(83.071,35.325)
  Bottom w0.2: IC25.6@23.025,18.5 23.025,18.1 22.975,18.05 22.975,17.849 23.199,17.625 43.4,17.625 45.075,19.3 45.324,19.3 56.175,19.3 59.7,22.825 59.7,25.575 59.075,26.2 59.075,26.583 58.875,26.783 v1(58.875,26.8) ; v1(83.071,35.325) 83.125,35.325 83.3,35.5 85.175,35.5 91.35,41.675 91.35,48.899 90.924,49.325 90.484,49.325 90.334,49.475 v1(90.28,49.475)
RPI_USB3_D1_N: IC26.7 J2.65 | length 88.7
  Top w0.2: v1(80.6,24.592) 80.6,24.875 81.3,25.575 81.3,39.026 85.299,43.025 87.561,43.025 87.611,42.975 J2.65@88.085,42.975
  L3 w0.1: v1(46.925,21.1) 47.175,21.35 50.067,21.35 50.417,21 57.883,21 59.825,22.942 59.825,24.292 61.858,26.325 72.008,26.325 73.208,27.525 76.217,27.525 79.44,24.302 79.956,24.302 80.246,24.592 v1(80.6,24.592)
  Bottom w0.2: IC26.7@22.625,22.425 22.625,22.025 22.675,21.975 22.675,21.65 23.6,20.725 33.524,20.725 35.124,22.325 44.5,22.325 45.525,21.3 46.725,21.3 v1(46.925,21.1)
RPI_USB3_D1_P: IC26.6 J2.63 | length 88.2
  Top w0.2: v1(80.105,25.087) 80.388,25.087 81,25.699 81,39.15 85.175,43.325 87.561,43.325 87.611,43.375 J2.63@88.085,43.375
  L3 w0.1: v1(46.925,21.8) 47.175,21.55 50.15,21.55 50.5,21.2 57.8,21.2 59.625,23.025 59.625,24.375 61.775,26.525 71.925,26.525 73.125,27.725 76.3,27.725 79.523,24.502 79.873,24.502 80.105,24.734 v1(80.105,25.087)
  Bottom w0.2: IC26.6@23.025,22.425 23.025,22.025 22.975,21.975 22.975,21.774 23.724,21.025 33.4,21.025 35,22.625 44.624,22.625 45.649,21.6 46.725,21.6 v1(46.925,21.8)
RPI_USB3_RX0_N: IC28.4 J2.28 | length 105.1
  Top w0.2: v1(22.65,26.425) 22.618,26.425 22.43,26.238 22.088,26.238 21.775,25.924 21.775,23.4 24.3,20.875 27.751,20.875 28.374,20.875 29.824,22.325 32.948,22.325 51.35,22.325 53.575,20.1 58.225,20.1 60.575,22.45 60.575,24.176 62.628,26.228 64.878,26.228 70.175,31.526 70.175,32.775 70.025,32.925 70.025,34.675 v1(70.2,34.85) ; v1(90.28,50.675) 90.38,50.575 J2.28@91.165,50.575
  L3 w0.1: v1(70.2,34.85) 70.875,35.525 75.108,35.525 75.408,35.825 v1(78.95,35.825)
  Bottom w0.2: IC28.4@21.877,26.675 22.4,26.675 v1(22.65,26.425) ; v1(78.95,35.825) 79.876,35.825 81.901,33.8 86.575,33.8 93.575,40.8 93.575,48.75 92.075,50.25 91.642,50.25 91.367,50.525 90.484,50.525 90.334,50.675 v1(90.28,50.675)
RPI_USB3_RX0_P: IC28.5 J2.30 | length 104.5
  Top w0.2: v1(22.65,25.75) 22.618,25.75 22.43,25.938 22.213,25.938 22.075,25.8 22.075,23.524 24.424,21.175 28.25,21.175 29.7,22.625 51.226,22.625 51.474,22.625 53.699,20.4 58.101,20.4 60.275,22.574 60.275,24.3 62.503,26.528 64.753,26.528 69.875,31.65 69.875,32.651 69.725,32.801 69.725,34.675 v1(69.55,34.85) ; v1(90.28,50.075) 90.38,50.175 J2.30@91.165,50.175
  L3 w0.1: v1(69.55,34.85) 69.775,35.075 69.775,35.483 70.017,35.725 75.025,35.725 75.325,36.025 78.5,36.025 v1(78.95,36.475)
  Bottom w0.2: IC28.5@21.877,26.275 22.125,26.275 v1(22.65,25.75) ; v1(78.95,36.475) 79.004,36.475 79.354,36.125 80,36.125 82.025,34.1 83.85,34.1 84.375,34.625 84.819,34.625 85.344,34.1 86.451,34.1 93.275,40.924 93.275,48.626 91.951,49.95 91.518,49.95 91.243,50.225 90.484,50.225 90.334,50.075 v1(90.28,50.075)